# KiCad board SparkFun_GNSS_DAN-F10N_panelized.kicad_pcb (continued)
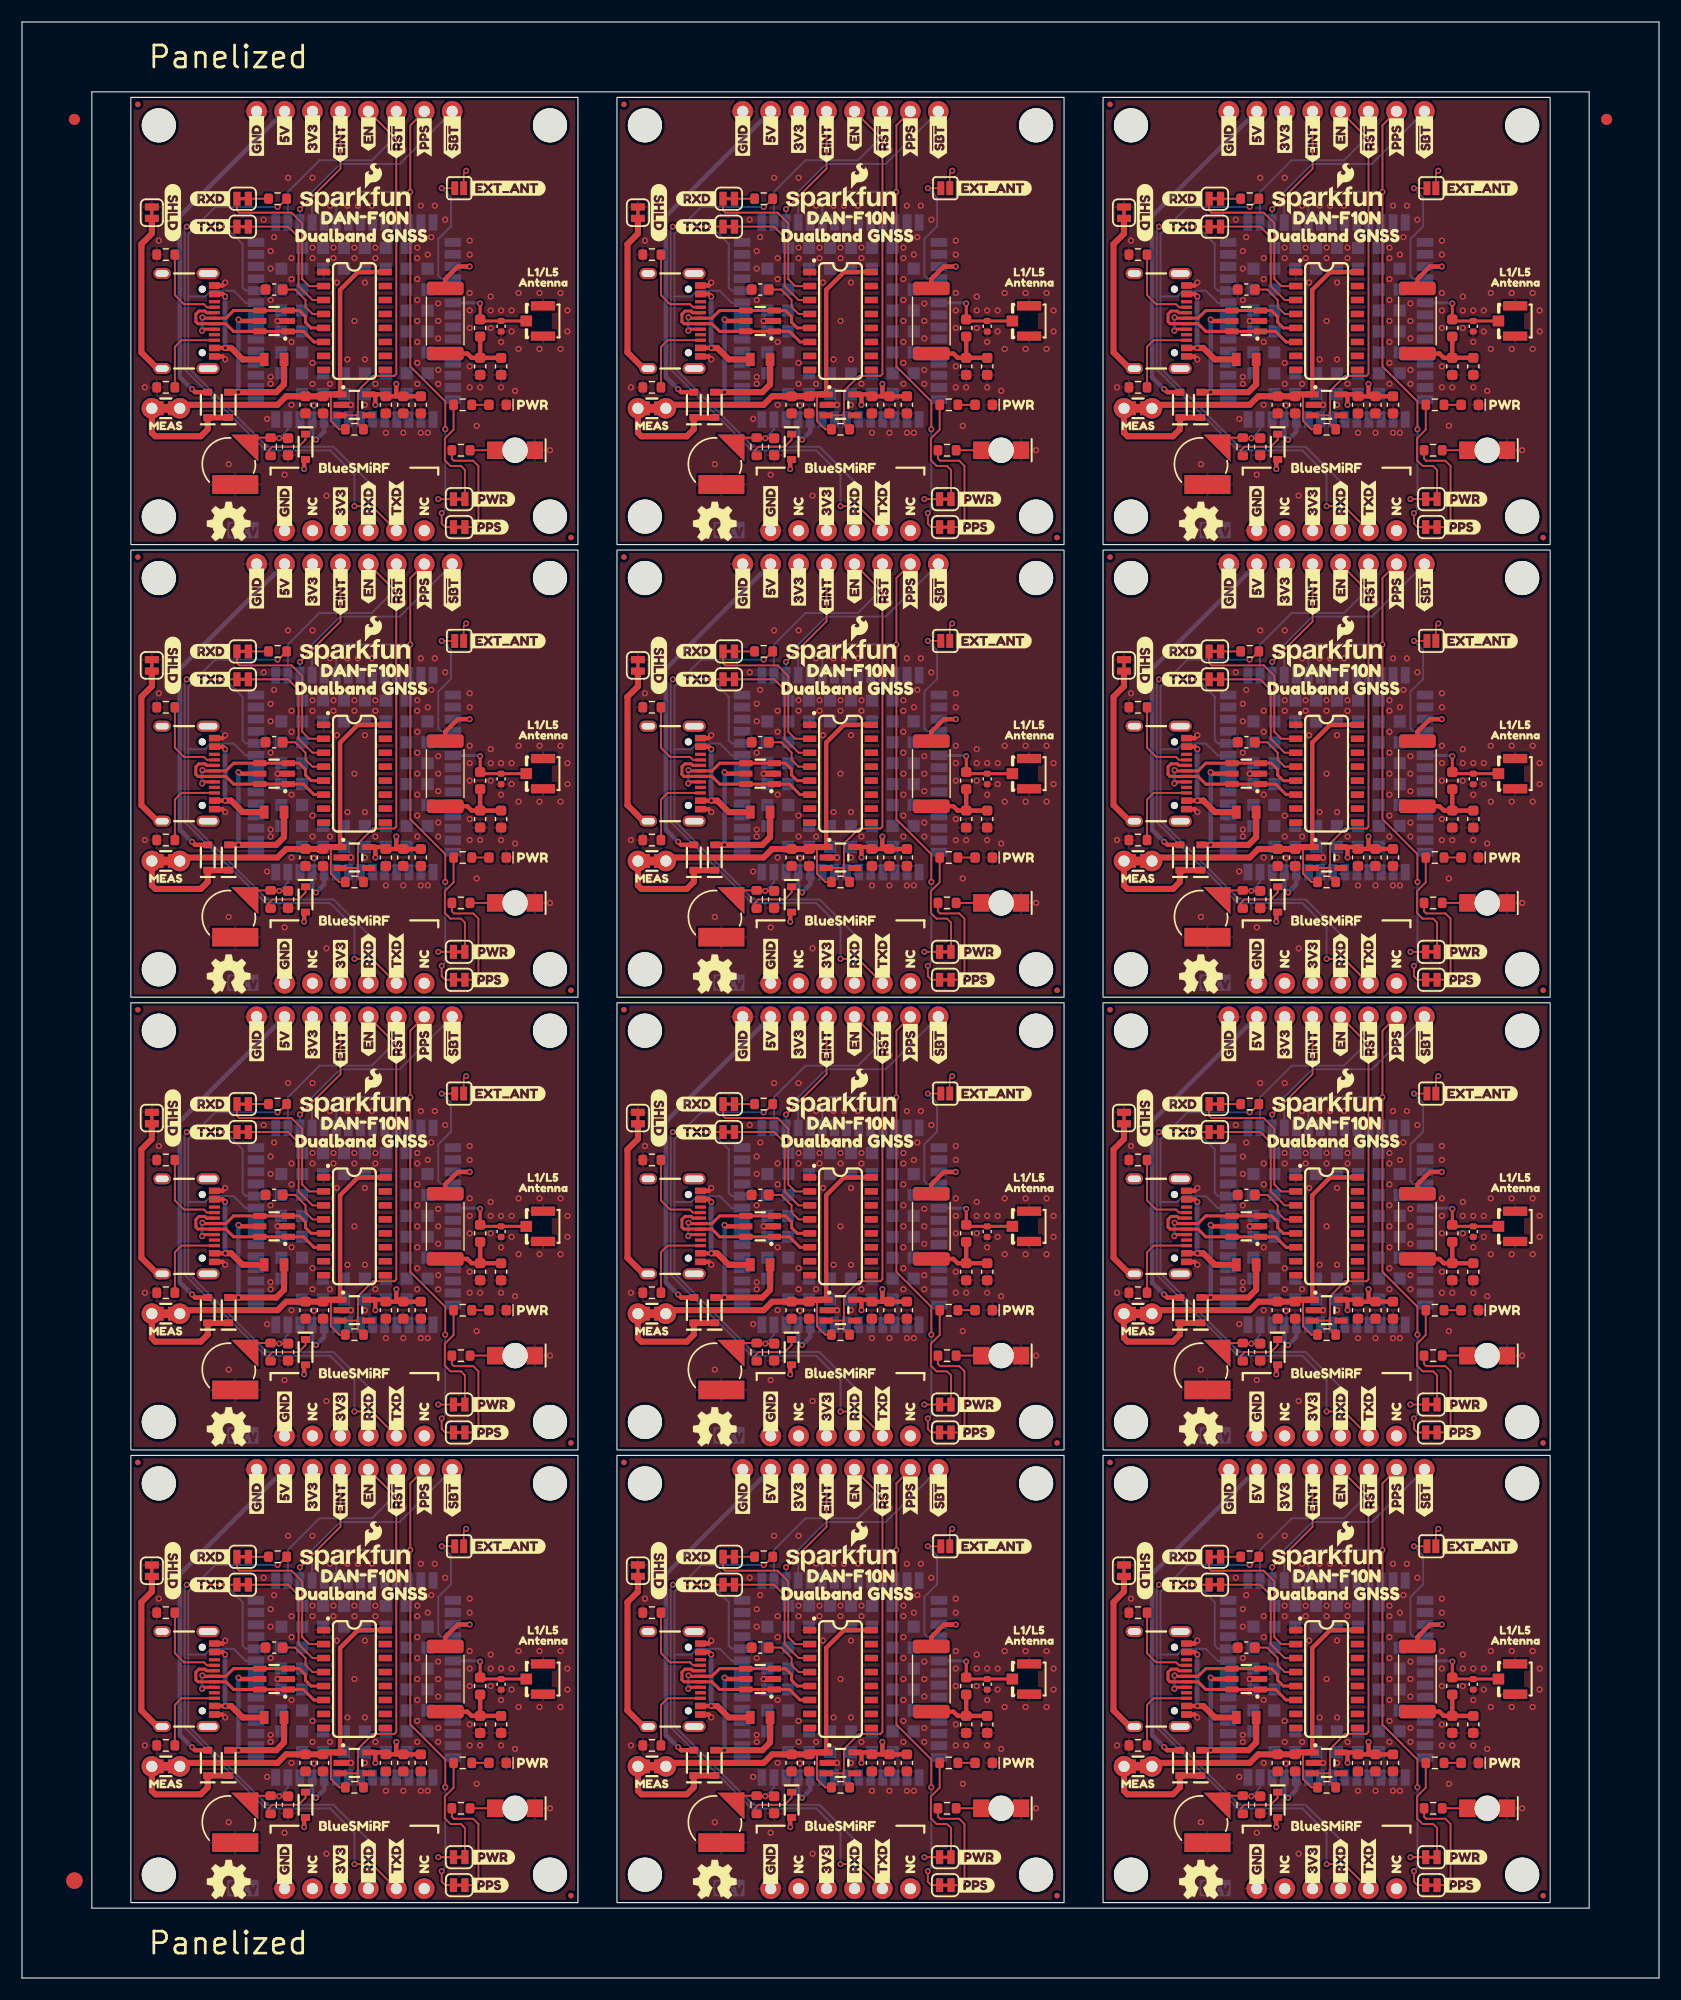
[diagram p0: board, top side]
## Placement (name value [footprint] x y rotation side) (continued)
J4#8  -  [U.FL]  91.55 27.17 180 top
J4#9  -  [U.FL]  91.55 150.59 180 top
J4#10  -  [U.FL]  135.74 109.45 180 top
J4#11  -  [U.FL]  135.74 150.59 180 top
J4#12  -  [U.FL]  135.74 68.31 180 top
J5  Conn_01x08  [1x08]  39.11 169.64 180 top
J5#2  Conn_01x08  [1x08]  39.11 87.36 180 top
J5#3  Conn_01x08  [1x08]  127.48 46.22 180 top
J5#4  Conn_01x08  [1x08]  39.11 128.5 180 top
J5#5  Conn_01x08  [1x08]  83.3 87.36 180 top
J5#6  Conn_01x08  [1x08]  83.3 128.5 180 top
J5#7  Conn_01x08  [1x08]  83.3 169.64 180 top
J5#8  Conn_01x08  [1x08]  83.3 46.22 180 top
J5#9  Conn_01x08  [1x08]  127.48 87.36 180 top
J5#10  Conn_01x08  [1x08]  127.48 128.5 180 top
J5#11  Conn_01x08  [1x08]  127.48 169.64 180 top
J5#12  Conn_01x08  [1x08]  39.11 46.22 180 top
JP1  EXT_ANT  [Jumper_2_NO]  39.74 39.23 180 top
JP1#2  EXT_ANT  [Jumper_2_NO]  83.93 162.66 180 top
JP1#3  EXT_ANT  [Jumper_2_NO]  39.74 121.52 180 top
JP1#4  EXT_ANT  [Jumper_2_NO]  39.74 80.38 180 top
JP1#5  EXT_ANT  [Jumper_2_NO]  39.74 162.66 180 top
JP1#6  EXT_ANT  [Jumper_2_NO]  83.93 39.23 180 top
JP1#7  EXT_ANT  [Jumper_2_NO]  83.93 80.38 180 top
JP1#8  EXT_ANT  [Jumper_2_NO]  83.93 121.52 180 top
JP1#9  EXT_ANT  [Jumper_2_NO]  128.12 121.52 180 top
JP1#10  EXT_ANT  [Jumper_2_NO]  128.12 80.38 180 top
JP1#11  EXT_ANT  [Jumper_2_NO]  128.12 39.23 180 top
JP1#12  EXT_ANT  [Jumper_2_NO]  128.12 162.66 180 top
JP2  ~  [Jumper_2_NC_Trace]  39.74 10.98 180 top
JP2#2  ~  [Jumper_2_NC_Trace]  83.93 52.12 180 top
JP2#3  ~  [Jumper_2_NC_Trace]  39.74 52.12 180 top
JP2#4  ~  [Jumper_2_NC_Trace]  39.74 134.4 180 top
JP2#5  ~  [Jumper_2_NC_Trace]  83.93 10.98 180 top
JP2#6  ~  [Jumper_2_NC_Trace]  39.74 93.26 180 top
JP2#7  ~  [Jumper_2_NC_Trace]  128.12 93.26 180 top
JP2#8  ~  [Jumper_2_NC_Trace]  128.12 52.12 180 top
JP2#9  ~  [Jumper_2_NC_Trace]  83.93 134.4 180 top
JP2#10  ~  [Jumper_2_NC_Trace]  128.12 134.4 180 top
JP2#11  ~  [Jumper_2_NC_Trace]  83.93 93.26 180 top
JP2#12  ~  [Jumper_2_NC_Trace]  128.12 10.98 180 top
JP3  ~  [Jumper_2_NC_Trace]  39.74 8.44 180 top
JP3#2  ~  [Jumper_2_NC_Trace]  128.12 8.44 180 top
JP3#3  ~  [Jumper_2_NC_Trace]  128.12 49.58 180 top
JP3#4  ~  [Jumper_2_NC_Trace]  83.93 131.86 180 top
JP3#5  ~  [Jumper_2_NC_Trace]  128.12 90.72 180 top
JP3#6  ~  [Jumper_2_NC_Trace]  128.12 131.86 180 top
JP3#7  ~  [Jumper_2_NC_Trace]  83.93 90.72 180 top
JP3#8  ~  [Jumper_2_NC_Trace]  83.93 49.58 180 top
JP3#9  ~  [Jumper_2_NC_Trace]  83.93 8.44 180 top
JP3#10  ~  [Jumper_2_NC_Trace]  39.74 49.58 180 top
JP3#11  ~  [Jumper_2_NC_Trace]  39.74 131.86 180 top
JP3#12  ~  [Jumper_2_NC_Trace]  39.74 90.72 180 top
JP7  ~  [Jumper_2_NC_Trace]  11.8 78.15 270 top
JP7#2  ~  [Jumper_2_NC_Trace]  100.18 78.15 270 top
JP7#3  ~  [Jumper_2_NC_Trace]  11.8 160.43 270 top
JP7#4  ~  [Jumper_2_NC_Trace]  55.99 78.15 270 top
JP7#5  ~  [Jumper_2_NC_Trace]  100.18 37.01 270 top
JP7#6  ~  [Jumper_2_NC_Trace]  55.99 37.01 270 top
JP7#7  ~  [Jumper_2_NC_Trace]  55.99 160.43 270 top
JP7#8  ~  [Jumper_2_NC_Trace]  11.8 119.29 270 top
JP7#9  ~  [Jumper_2_NC_Trace]  55.99 119.29 270 top
JP7#10  ~  [Jumper_2_NC_Trace]  100.18 119.29 270 top
JP7#11  ~  [Jumper_2_NC_Trace]  100.18 160.43 270 top
JP7#12  ~  [Jumper_2_NC_Trace]  11.8 37.01 270 top
JP9  ~  [Jumper_2_NC_Trace]  20.06 38.28 0 top
JP9#2  ~  [Jumper_2_NC_Trace]  20.06 120.56 0 top
JP9#3  ~  [Jumper_2_NC_Trace]  20.06 161.7 0 top
JP9#4  ~  [Jumper_2_NC_Trace]  108.43 38.28 0 top
JP9#5  ~  [Jumper_2_NC_Trace]  20.06 79.42 0 top
JP9#6  ~  [Jumper_2_NC_Trace]  64.25 79.42 0 top
JP9#7  ~  [Jumper_2_NC_Trace]  64.25 120.56 0 top
JP9#8  ~  [Jumper_2_NC_Trace]  64.25 38.28 0 top
JP9#9  ~  [Jumper_2_NC_Trace]  64.25 161.7 0 top
JP9#10  ~  [Jumper_2_NC_Trace]  108.43 120.56 0 top
JP9#11  ~  [Jumper_2_NC_Trace]  108.43 79.42 0 top
JP9#12  ~  [Jumper_2_NC_Trace]  108.43 161.7 0 top
JP10  ~  [Jumper_2_NC_Trace]  20.06 35.74 180 top
JP10#2  ~  [Jumper_2_NC_Trace]  20.06 76.88 180 top
JP10#3  ~  [Jumper_2_NC_Trace]  64.25 35.74 180 top
JP10#4  ~  [Jumper_2_NC_Trace]  20.06 159.16 180 top
JP10#5  ~  [Jumper_2_NC_Trace]  108.43 76.88 180 top
JP10#6  ~  [Jumper_2_NC_Trace]  64.25 118.02 180 top
JP10#7  ~  [Jumper_2_NC_Trace]  108.43 35.74 180 top
JP10#8  ~  [Jumper_2_NC_Trace]  64.25 159.16 180 top
JP10#9  ~  [Jumper_2_NC_Trace]  20.06 118.02 180 top
JP10#10  ~  [Jumper_2_NC_Trace]  64.25 76.88 180 top
JP10#11  ~  [Jumper_2_NC_Trace]  108.43 118.02 180 top
JP10#12  ~  [Jumper_2_NC_Trace]  108.43 159.16 180 top
JP11  Measure  [Jumper_2_PTH_SMD_Combo-NC]  13.07 19.23 0 top
JP11#2  Measure  [Jumper_2_PTH_SMD_Combo-NC]  13.07 101.51 0 top
JP11#3  Measure  [Jumper_2_PTH_SMD_Combo-NC]  57.26 142.65 0 top
JP11#4  Measure  [Jumper_2_PTH_SMD_Combo-NC]  101.45 101.51 0 top
JP11#5  Measure  [Jumper_2_PTH_SMD_Combo-NC]  13.07 142.65 0 top
JP11#6  Measure  [Jumper_2_PTH_SMD_Combo-NC]  57.26 101.51 0 top
JP11#7  Measure  [Jumper_2_PTH_SMD_Combo-NC]  57.26 60.37 0 top
JP11#8  Measure  [Jumper_2_PTH_SMD_Combo-NC]  13.07 60.37 0 top
JP11#9  Measure  [Jumper_2_PTH_SMD_Combo-NC]  57.26 19.23 0 top
JP11#10  Measure  [Jumper_2_PTH_SMD_Combo-NC]  101.45 19.23 0 top
JP11#11  Measure  [Jumper_2_PTH_SMD_Combo-NC]  101.45 60.37 0 top
JP11#12  Measure  [Jumper_2_PTH_SMD_Combo-NC]  101.45 142.65 0 top
kibuzzard-64C2E6A3  G***  [kibuzzard-64C2E6A3]  46.41 19.55 0 top
kibuzzard-64C2E6A3#2  G***  [kibuzzard-64C2E6A3]  90.6 142.97 0 top
kibuzzard-64C2E6A3#3  G***  [kibuzzard-64C2E6A3]  134.79 142.97 0 top
kibuzzard-64C2E6A3#4  G***  [kibuzzard-64C2E6A3]  134.79 19.55 0 top
kibuzzard-64C2E6A3#5  G***  [kibuzzard-64C2E6A3]  134.79 60.69 0 top
kibuzzard-64C2E6A3#6  G***  [kibuzzard-64C2E6A3]  134.79 101.83 0 top
kibuzzard-64C2E6A3#7  G***  [kibuzzard-64C2E6A3]  46.41 142.97 0 top
kibuzzard-64C2E6A3#8  G***  [kibuzzard-64C2E6A3]  46.41 101.83 0 top
kibuzzard-64C2E6A3#9  G***  [kibuzzard-64C2E6A3]  46.41 60.69 0 top
kibuzzard-64C2E6A3#10  G***  [kibuzzard-64C2E6A3]  90.6 60.69 0 top
kibuzzard-64C2E6A3#11  G***  [kibuzzard-64C2E6A3]  90.6 101.83 0 top
kibuzzard-64C2E6A3#12  G***  [kibuzzard-64C2E6A3]  90.6 19.55 0 top
kibuzzard-64C3DF93  G***  [kibuzzard-64C3DF93]  13.71 78.15 270 top
kibuzzard-64C3DF93#2  G***  [kibuzzard-64C3DF93]  13.71 119.29 270 top
kibuzzard-64C3DF93#3  G***  [kibuzzard-64C3DF93]  57.9 119.29 270 top
kibuzzard-64C3DF93#4  G***  [kibuzzard-64C3DF93]  102.08 119.29 270 top
kibuzzard-64C3DF93#5  G***  [kibuzzard-64C3DF93]  57.9 78.15 270 top
kibuzzard-64C3DF93#6  G***  [kibuzzard-64C3DF93]  57.9 160.43 270 top
kibuzzard-64C3DF93#7  G***  [kibuzzard-64C3DF93]  102.08 78.15 270 top
kibuzzard-64C3DF93#8  G***  [kibuzzard-64C3DF93]  57.9 37.01 270 top
kibuzzard-64C3DF93#9  G***  [kibuzzard-64C3DF93]  13.71 160.43 270 top
kibuzzard-64C3DF93#10  G***  [kibuzzard-64C3DF93]  102.08 37.01 270 top
kibuzzard-64C3DF93#11  G***  [kibuzzard-64C3DF93]  102.08 160.43 270 top
kibuzzard-64C3DF93#12  G***  [kibuzzard-64C3DF93]  13.71 37.01 270 top
kibuzzard-67C7D06A  G***  [kibuzzard-67C7D06A]  47.36 30.66 0 top
kibuzzard-67C7D06A#2  G***  [kibuzzard-67C7D06A]  47.36 71.8 0 top
kibuzzard-67C7D06A#3  G***  [kibuzzard-67C7D06A]  47.36 112.94 0 top
kibuzzard-67C7D06A#4  G***  [kibuzzard-67C7D06A]  47.36 154.08 0 top
kibuzzard-67C7D06A#5  G***  [kibuzzard-67C7D06A]  91.55 30.66 0 top
kibuzzard-67C7D06A#6  G***  [kibuzzard-67C7D06A]  135.74 30.66 0 top
kibuzzard-67C7D06A#7  G***  [kibuzzard-67C7D06A]  135.74 71.8 0 top
kibuzzard-67C7D06A#8  G***  [kibuzzard-67C7D06A]  91.55 112.94 0 top
kibuzzard-67C7D06A#9  G***  [kibuzzard-67C7D06A]  135.74 112.94 0 top
kibuzzard-67C7D06A#10  G***  [kibuzzard-67C7D06A]  91.55 154.08 0 top
kibuzzard-67C7D06A#11  G***  [kibuzzard-67C7D06A]  91.55 71.8 0 top
kibuzzard-67C7D06A#12  G***  [kibuzzard-67C7D06A]  135.74 154.08 0 top
kibuzzard-67C7D061  G***  [kibuzzard-67C7D061]  91.55 31.62 0 top
kibuzzard-67C7D061#2  G***  [kibuzzard-67C7D061]  135.74 72.75 0 top
kibuzzard-67C7D061#3  G***  [kibuzzard-67C7D061]  47.36 113.9 0 top
kibuzzard-67C7D061#4  G***  [kibuzzard-67C7D061]  135.74 31.62 0 top
kibuzzard-67C7D061#5  G***  [kibuzzard-67C7D061]  47.36 155.03 0 top
kibuzzard-67C7D061#6  G***  [kibuzzard-67C7D061]  91.55 113.9 0 top
kibuzzard-67C7D061#7  G***  [kibuzzard-67C7D061]  91.55 155.03 0 top
kibuzzard-67C7D061#8  G***  [kibuzzard-67C7D061]  47.36 72.75 0 top
kibuzzard-67C7D061#9  G***  [kibuzzard-67C7D061]  91.55 72.75 0 top
kibuzzard-67C7D061#10  G***  [kibuzzard-67C7D061]  135.74 155.03 0 top
kibuzzard-67C7D061#11  G***  [kibuzzard-67C7D061]  135.74 113.9 0 top
kibuzzard-67C7D061#12  G***  [kibuzzard-67C7D061]  47.36 31.62 0 top
kibuzzard-67C52A06  G***  [kibuzzard-67C52A06]  30.22 95.48 180 bottom
kibuzzard-67C52A06#2  G***  [kibuzzard-67C52A06]  74.41 13.2 180 bottom
kibuzzard-67C52A06#3  G***  [kibuzzard-67C52A06]  30.22 54.34 180 bottom
kibuzzard-67C52A06#4  G***  [kibuzzard-67C52A06]  30.22 136.62 180 bottom
kibuzzard-67C52A06#5  G***  [kibuzzard-67C52A06]  118.59 136.62 180 bottom
kibuzzard-67C52A06#6  G***  [kibuzzard-67C52A06]  74.41 54.34 180 bottom
kibuzzard-67C52A06#7  G***  [kibuzzard-67C52A06]  74.41 95.48 180 bottom
kibuzzard-67C52A06#8  G***  [kibuzzard-67C52A06]  74.41 136.62 180 bottom
kibuzzard-67C52A06#9  G***  [kibuzzard-67C52A06]  118.59 54.34 180 bottom
kibuzzard-67C52A06#10  G***  [kibuzzard-67C52A06]  118.59 95.48 180 bottom
kibuzzard-67C52A06#11  G***  [kibuzzard-67C52A06]  118.59 13.2 180 bottom
kibuzzard-67C52A06#12  G***  [kibuzzard-67C52A06]  30.22 13.2 180 bottom
kibuzzard-67C52AED  G***  [kibuzzard-67C52AED]  78.22 51.8 90 top
kibuzzard-67C52AED#2  G***  [kibuzzard-67C52AED]  78.22 92.94 90 top
kibuzzard-67C52AED#3  G***  [kibuzzard-67C52AED]  34.03 92.94 90 top
kibuzzard-67C52AED#4  G***  [kibuzzard-67C52AED]  78.22 10.66 90 top
kibuzzard-67C52AED#5  G***  [kibuzzard-67C52AED]  34.03 51.8 90 top
kibuzzard-67C52AED#6  G***  [kibuzzard-67C52AED]  34.03 134.08 90 top
kibuzzard-67C52AED#7  G***  [kibuzzard-67C52AED]  78.22 134.08 90 top
kibuzzard-67C52AED#8  G***  [kibuzzard-67C52AED]  122.4 10.66 90 top
kibuzzard-67C52AED#9  G***  [kibuzzard-67C52AED]  122.4 51.8 90 top
kibuzzard-67C52AED#10  G***  [kibuzzard-67C52AED]  122.4 134.08 90 top
kibuzzard-67C52AED#11  G***  [kibuzzard-67C52AED]  122.4 92.94 90 top
kibuzzard-67C52AED#12  G***  [kibuzzard-67C52AED]  34.03 10.66 90 top
kibuzzard-67C52B01  G***  [kibuzzard-67C52B01]  119.86 51.8 90 top
kibuzzard-67C52B01#2  G***  [kibuzzard-67C52B01]  31.49 10.66 90 top
kibuzzard-67C52B01#3  G***  [kibuzzard-67C52B01]  75.68 51.8 90 top
kibuzzard-67C52B01#4  G***  [kibuzzard-67C52B01]  75.68 134.08 90 top
kibuzzard-67C52B01#5  G***  [kibuzzard-67C52B01]  31.49 92.94 90 top
kibuzzard-67C52B01#6  G***  [kibuzzard-67C52B01]  31.49 134.08 90 top
kibuzzard-67C52B01#7  G***  [kibuzzard-67C52B01]  31.49 51.8 90 top
kibuzzard-67C52B01#8  G***  [kibuzzard-67C52B01]  75.68 10.66 90 top
kibuzzard-67C52B01#9  G***  [kibuzzard-67C52B01]  75.68 92.94 90 top
kibuzzard-67C52B01#10  G***  [kibuzzard-67C52B01]  119.86 10.66 90 top
kibuzzard-67C52B01#11  G***  [kibuzzard-67C52B01]  119.86 92.94 90 top
kibuzzard-67C52B01#12  G***  [kibuzzard-67C52B01]  119.86 134.08 90 top
kibuzzard-67C52B1C  G***  [kibuzzard-67C52B1C]  68.06 92.62 90 top
kibuzzard-67C52B1C#2  G***  [kibuzzard-67C52B1C]  23.87 92.62 90 top
kibuzzard-67C52B1C#3  G***  [kibuzzard-67C52B1C]  68.06 10.34 90 top
kibuzzard-67C52B1C#4  G***  [kibuzzard-67C52B1C]  112.24 51.48 90 top
kibuzzard-67C52B1C#5  G***  [kibuzzard-67C52B1C]  68.06 51.48 90 top
kibuzzard-67C52B1C#6  G***  [kibuzzard-67C52B1C]  68.06 133.76 90 top
kibuzzard-67C52B1C#7  G***  [kibuzzard-67C52B1C]  23.87 133.76 90 top
kibuzzard-67C52B1C#8  G***  [kibuzzard-67C52B1C]  23.87 51.48 90 top
kibuzzard-67C52B1C#9  G***  [kibuzzard-67C52B1C]  112.24 10.34 90 top
kibuzzard-67C52B1C#10  G***  [kibuzzard-67C52B1C]  112.24 92.62 90 top
kibuzzard-67C52B1C#11  G***  [kibuzzard-67C52B1C]  112.24 133.76 90 top
kibuzzard-67C52B1C#12  G***  [kibuzzard-67C52B1C]  23.87 10.34 90 top
kibuzzard-67C52C8F  G***  [kibuzzard-67C52C8F]  13.07 17.64 0 top
kibuzzard-67C52C8F#2  G***  [kibuzzard-67C52C8F]  13.07 58.78 0 top
kibuzzard-67C52C8F#3  G***  [kibuzzard-67C52C8F]  57.26 17.64 0 top
kibuzzard-67C52C8F#4  G***  [kibuzzard-67C52C8F]  57.26 99.93 0 top
kibuzzard-67C52C8F#5  G***  [kibuzzard-67C52C8F]  101.45 99.93 0 top
kibuzzard-67C52C8F#6  G***  [kibuzzard-67C52C8F]  13.07 99.93 0 top
kibuzzard-67C52C8F#7  G***  [kibuzzard-67C52C8F]  13.07 141.06 0 top
kibuzzard-67C52C8F#8  G***  [kibuzzard-67C52C8F]  57.26 58.78 0 top
kibuzzard-67C52C8F#9  G***  [kibuzzard-67C52C8F]  57.26 141.06 0 top
kibuzzard-67C52C8F#10  G***  [kibuzzard-67C52C8F]  101.45 17.64 0 top
kibuzzard-67C52C8F#11  G***  [kibuzzard-67C52C8F]  101.45 58.78 0 top
kibuzzard-67C52C8F#12  G***  [kibuzzard-67C52C8F]  101.45 141.06 0 top
kibuzzard-67C52CCE  G***  [kibuzzard-67C52CCE]  44.82 17.64 180 bottom
kibuzzard-67C52CCE#2  G***  [kibuzzard-67C52CCE]  44.82 58.78 180 bottom
kibuzzard-67C52CCE#3  G***  [kibuzzard-67C52CCE]  89.01 141.06 180 bottom
kibuzzard-67C52CCE#4  G***  [kibuzzard-67C52CCE]  44.82 99.93 180 bottom
kibuzzard-67C52CCE#5  G***  [kibuzzard-67C52CCE]  89.01 17.64 180 bottom
kibuzzard-67C52CCE#6  G***  [kibuzzard-67C52CCE]  89.01 58.78 180 bottom
kibuzzard-67C52CCE#7  G***  [kibuzzard-67C52CCE]  44.82 141.06 180 bottom
kibuzzard-67C52CCE#8  G***  [kibuzzard-67C52CCE]  89.01 99.93 180 bottom
kibuzzard-67C52CCE#9  G***  [kibuzzard-67C52CCE]  133.2 58.78 180 bottom
kibuzzard-67C52CCE#10  G***  [kibuzzard-67C52CCE]  133.2 99.93 180 bottom
kibuzzard-67C52CCE#11  G***  [kibuzzard-67C52CCE]  133.2 141.06 180 bottom
kibuzzard-67C52CCE#12  G***  [kibuzzard-67C52CCE]  133.2 17.64 180 bottom
kibuzzard-67C52D79  G***  [kibuzzard-67C52D79]  42.6 8.44 0 top
kibuzzard-67C52D79#2  G***  [kibuzzard-67C52D79]  42.6 49.58 0 top
kibuzzard-67C52D79#3  G***  [kibuzzard-67C52D79]  42.6 131.86 0 top
kibuzzard-67C52D79#4  G***  [kibuzzard-67C52D79]  42.6 90.72 0 top
kibuzzard-67C52D79#5  G***  [kibuzzard-67C52D79]  130.98 8.44 0 top
kibuzzard-67C52D79#6  G***  [kibuzzard-67C52D79]  130.98 49.58 0 top
kibuzzard-67C52D79#7  G***  [kibuzzard-67C52D79]  86.79 8.44 0 top
kibuzzard-67C52D79#8  G***  [kibuzzard-67C52D79]  86.79 90.72 0 top
kibuzzard-67C52D79#9  G***  [kibuzzard-67C52D79]  86.79 131.86 0 top
kibuzzard-67C52D79#10  G***  [kibuzzard-67C52D79]  130.98 90.72 0 top
kibuzzard-67C52D79#11  G***  [kibuzzard-67C52D79]  130.98 131.86 0 top
kibuzzard-67C52D79#12  G***  [kibuzzard-67C52D79]  86.79 49.58 0 top
kibuzzard-67C52D85  G***  [kibuzzard-67C52D85]  42.92 10.98 0 top
kibuzzard-67C52D85#2  G***  [kibuzzard-67C52D85]  87.11 134.4 0 top
kibuzzard-67C52D85#3  G***  [kibuzzard-67C52D85]  131.29 93.26 0 top
kibuzzard-67C52D85#4  G***  [kibuzzard-67C52D85]  87.11 93.26 0 top
kibuzzard-67C52D85#5  G***  [kibuzzard-67C52D85]  42.92 93.26 0 top
kibuzzard-67C52D85#6  G***  [kibuzzard-67C52D85]  87.11 52.12 0 top
kibuzzard-67C52D85#7  G***  [kibuzzard-67C52D85]  131.29 52.12 0 top
kibuzzard-67C52D85#8  G***  [kibuzzard-67C52D85]  42.92 52.12 0 top
kibuzzard-67C52D85#9  G***  [kibuzzard-67C52D85]  87.11 10.98 0 top
kibuzzard-67C52D85#10  G***  [kibuzzard-67C52D85]  42.92 134.4 0 top
kibuzzard-67C52D85#11  G***  [kibuzzard-67C52D85]  131.29 10.98 0 top
kibuzzard-67C52D85#12  G***  [kibuzzard-67C52D85]  131.29 134.4 0 top
kibuzzard-67C52DD7  G***  [kibuzzard-67C52DD7]  17.04 118.02 0 top
kibuzzard-67C52DD7#2  G***  [kibuzzard-67C52DD7]  17.04 76.88 0 top
kibuzzard-67C52DD7#3  G***  [kibuzzard-67C52DD7]  105.42 118.02 0 top
kibuzzard-67C52DD7#4  G***  [kibuzzard-67C52DD7]  61.23 35.74 0 top
kibuzzard-67C52DD7#5  G***  [kibuzzard-67C52DD7]  61.23 76.88 0 top
kibuzzard-67C52DD7#6  G***  [kibuzzard-67C52DD7]  105.42 159.16 0 top
kibuzzard-67C52DD7#7  G***  [kibuzzard-67C52DD7]  61.23 159.16 0 top
kibuzzard-67C52DD7#8  G***  [kibuzzard-67C52DD7]  17.04 159.16 0 top
kibuzzard-67C52DD7#9  G***  [kibuzzard-67C52DD7]  61.23 118.02 0 top
kibuzzard-67C52DD7#10  G***  [kibuzzard-67C52DD7]  105.42 35.74 0 top
kibuzzard-67C52DD7#11  G***  [kibuzzard-67C52DD7]  105.42 76.88 0 top
kibuzzard-67C52DD7#12  G***  [kibuzzard-67C52DD7]  17.04 35.74 0 top
kibuzzard-67C52DE1  G***  [kibuzzard-67C52DE1]  17.04 38.28 0 top
kibuzzard-67C52DE1#2  G***  [kibuzzard-67C52DE1]  17.04 79.42 0 top
kibuzzard-67C52DE1#3  G***  [kibuzzard-67C52DE1]  17.04 161.7 0 top
kibuzzard-67C52DE1#4  G***  [kibuzzard-67C52DE1]  61.23 79.42 0 top
kibuzzard-67C52DE1#5  G***  [kibuzzard-67C52DE1]  17.04 120.56 0 top
kibuzzard-67C52DE1#6  G***  [kibuzzard-67C52DE1]  61.23 38.28 0 top
kibuzzard-67C52DE1#7  G***  [kibuzzard-67C52DE1]  105.42 38.28 0 top
kibuzzard-67C52DE1#8  G***  [kibuzzard-67C52DE1]  105.42 120.56 0 top
kibuzzard-67C52DE1#9  G***  [kibuzzard-67C52DE1]  61.23 120.56 0 top
kibuzzard-67C52DE1#10  G***  [kibuzzard-67C52DE1]  61.23 161.7 0 top
kibuzzard-67C52DE1#11  G***  [kibuzzard-67C52DE1]  105.42 161.7 0 top
kibuzzard-67C52DE1#12  G***  [kibuzzard-67C52DE1]  105.42 79.42 0 top
kibuzzard-67C52F63  G***  [kibuzzard-67C52F63]  28.95 10.34 90 top
kibuzzard-67C52F63#2  G***  [kibuzzard-67C52F63]  73.14 10.34 90 top
kibuzzard-67C52F63#3  G***  [kibuzzard-67C52F63]  28.95 133.76 90 top
kibuzzard-67C52F63#4  G***  [kibuzzard-67C52F63]  28.95 92.62 90 top
kibuzzard-67C52F63#5  G***  [kibuzzard-67C52F63]  73.14 51.48 90 top
kibuzzard-67C52F63#6  G***  [kibuzzard-67C52F63]  73.14 92.62 90 top
kibuzzard-67C52F63#7  G***  [kibuzzard-67C52F63]  28.95 51.48 90 top
kibuzzard-67C52F63#8  G***  [kibuzzard-67C52F63]  73.14 133.76 90 top
kibuzzard-67C52F63#9  G***  [kibuzzard-67C52F63]  117.32 51.48 90 top
kibuzzard-67C52F63#10  G***  [kibuzzard-67C52F63]  117.32 92.62 90 top
kibuzzard-67C52F63#11  G***  [kibuzzard-67C52F63]  117.32 133.76 90 top
kibuzzard-67C52F63#12  G***  [kibuzzard-67C52F63]  117.32 10.34 90 top
kibuzzard-67C524B9  G***  [kibuzzard-67C524B9]  31.17 36.54 0 top
kibuzzard-67C524B9#2  G***  [kibuzzard-67C524B9]  31.17 77.68 0 top
kibuzzard-67C524B9#3  G***  [kibuzzard-67C524B9]  75.36 36.54 0 top
kibuzzard-67C524B9#4  G***  [kibuzzard-67C524B9]  119.55 36.54 0 top
kibuzzard-67C524B9#5  G***  [kibuzzard-67C524B9]  75.36 159.96 0 top
kibuzzard-67C524B9#6  G***  [kibuzzard-67C524B9]  31.17 118.82 0 top
kibuzzard-67C524B9#7  G***  [kibuzzard-67C524B9]  31.17 159.96 0 top
kibuzzard-67C524B9#8  G***  [kibuzzard-67C524B9]  75.36 118.82 0 top
kibuzzard-67C524B9#9  G***  [kibuzzard-67C524B9]  75.36 77.68 0 top
kibuzzard-67C524B9#10  G***  [kibuzzard-67C524B9]  119.55 159.96 0 top
kibuzzard-67C524B9#11  G***  [kibuzzard-67C524B9]  119.55 118.82 0 top
kibuzzard-67C524B9#12  G***  [kibuzzard-67C524B9]  119.55 77.68 0 top
kibuzzard-67C524C4  G***  [kibuzzard-67C524C4]  30.85 34.95 0 top
kibuzzard-67C524C4#2  G***  [kibuzzard-67C524C4]  30.85 76.09 0 top
kibuzzard-67C524C4#3  G***  [kibuzzard-67C524C4]  75.04 76.09 0 top
kibuzzard-67C524C4#4  G***  [kibuzzard-67C524C4]  75.04 158.37 0 top
kibuzzard-67C524C4#5  G***  [kibuzzard-67C524C4]  119.23 76.09 0 top
kibuzzard-67C524C4#6  G***  [kibuzzard-67C524C4]  30.85 117.23 0 top
kibuzzard-67C524C4#7  G***  [kibuzzard-67C524C4]  30.85 158.37 0 top
kibuzzard-67C524C4#8  G***  [kibuzzard-67C524C4]  75.04 34.95 0 top
kibuzzard-67C524C4#9  G***  [kibuzzard-67C524C4]  75.04 117.23 0 top
kibuzzard-67C524C4#10  G***  [kibuzzard-67C524C4]  119.23 34.95 0 top
kibuzzard-67C524C4#11  G***  [kibuzzard-67C524C4]  119.23 158.37 0 top
kibuzzard-67C524C4#12  G***  [kibuzzard-67C524C4]  119.23 117.23 0 top
kibuzzard-67C526AF  G***  [kibuzzard-67C526AF]  34.03 43.84 90 top
kibuzzard-67C526AF#2  G***  [kibuzzard-67C526AF]  122.4 167.26 90 top
kibuzzard-67C526AF#3  G***  [kibuzzard-67C526AF]  122.4 43.84 90 top
kibuzzard-67C526AF#4  G***  [kibuzzard-67C526AF]  122.4 84.98 90 top
kibuzzard-67C526AF#5  G***  [kibuzzard-67C526AF]  122.4 126.12 90 top
kibuzzard-67C526AF#6  G***  [kibuzzard-67C526AF]  78.22 43.84 90 top
kibuzzard-67C526AF#7  G***  [kibuzzard-67C526AF]  78.22 84.98 90 top
kibuzzard-67C526AF#8  G***  [kibuzzard-67C526AF]  34.03 126.12 90 top
kibuzzard-67C526AF#9  G***  [kibuzzard-67C526AF]  78.22 126.12 90 top
kibuzzard-67C526AF#10  G***  [kibuzzard-67C526AF]  78.22 167.26 90 top
kibuzzard-67C526AF#11  G***  [kibuzzard-67C526AF]  34.03 84.98 90 top
kibuzzard-67C526AF#12  G***  [kibuzzard-67C526AF]  34.03 167.26 90 top
kibuzzard-67C526C1  G***  [kibuzzard-67C526C1]  36.57 43.84 90 top
kibuzzard-67C526C1#2  G***  [kibuzzard-67C526C1]  80.76 43.84 90 top
kibuzzard-67C526C1#3  G***  [kibuzzard-67C526C1]  36.57 126.12 90 top
kibuzzard-67C526C1#4  G***  [kibuzzard-67C526C1]  80.76 84.98 90 top
kibuzzard-67C526C1#5  G***  [kibuzzard-67C526C1]  36.57 84.98 90 top
kibuzzard-67C526C1#6  G***  [kibuzzard-67C526C1]  124.94 43.84 90 top
kibuzzard-67C526C1#7  G***  [kibuzzard-67C526C1]  36.57 167.26 90 top
kibuzzard-67C526C1#8  G***  [kibuzzard-67C526C1]  124.94 84.98 90 top
kibuzzard-67C526C1#9  G***  [kibuzzard-67C526C1]  124.94 126.12 90 top
kibuzzard-67C526C1#10  G***  [kibuzzard-67C526C1]  124.94 167.26 90 top
kibuzzard-67C526C1#11  G***  [kibuzzard-67C526C1]  80.76 126.12 90 top
kibuzzard-67C526C1#12  G***  [kibuzzard-67C526C1]  80.76 167.26 90 top
kibuzzard-67C526DE  G***  [kibuzzard-67C526DE]  39.11 43.84 90 top
kibuzzard-67C526DE#2  G***  [kibuzzard-67C526DE]  83.3 126.12 90 top
kibuzzard-67C526DE#3  G***  [kibuzzard-67C526DE]  39.11 84.98 90 top
kibuzzard-67C526DE#4  G***  [kibuzzard-67C526DE]  127.48 84.98 90 top
kibuzzard-67C526DE#5  G***  [kibuzzard-67C526DE]  83.3 84.98 90 top
kibuzzard-67C526DE#6  G***  [kibuzzard-67C526DE]  39.11 167.26 90 top
kibuzzard-67C526DE#7  G***  [kibuzzard-67C526DE]  39.11 126.12 90 top
kibuzzard-67C526DE#8  G***  [kibuzzard-67C526DE]  83.3 43.84 90 top
kibuzzard-67C526DE#9  G***  [kibuzzard-67C526DE]  83.3 167.26 90 top
kibuzzard-67C526DE#10  G***  [kibuzzard-67C526DE]  127.48 43.84 90 top
kibuzzard-67C526DE#11  G***  [kibuzzard-67C526DE]  127.48 126.12 90 top
kibuzzard-67C526DE#12  G***  [kibuzzard-67C526DE]  127.48 167.26 90 top
kibuzzard-67C526ED  G***  [kibuzzard-67C526ED]  28.95 125.96 90 top
kibuzzard-67C526ED#2  G***  [kibuzzard-67C526ED]  28.95 84.82 90 top
kibuzzard-67C526ED#3  G***  [kibuzzard-67C526ED]  117.32 167.1 90 top
kibuzzard-67C526ED#4  G***  [kibuzzard-67C526ED]  73.14 43.68 90 top
kibuzzard-67C526ED#5  G***  [kibuzzard-67C526ED]  73.14 125.96 90 top
kibuzzard-67C526ED#6  G***  [kibuzzard-67C526ED]  28.95 167.1 90 top
kibuzzard-67C526ED#7  G***  [kibuzzard-67C526ED]  73.14 167.1 90 top
kibuzzard-67C526ED#8  G***  [kibuzzard-67C526ED]  73.14 84.82 90 top
kibuzzard-67C526ED#9  G***  [kibuzzard-67C526ED]  117.32 43.68 90 top
kibuzzard-67C526ED#10  G***  [kibuzzard-67C526ED]  117.32 84.82 90 top
kibuzzard-67C526ED#11  G***  [kibuzzard-67C526ED]  117.32 125.96 90 top
kibuzzard-67C526ED#12  G***  [kibuzzard-67C526ED]  28.95 43.68 90 top
kibuzzard-67C526F3  G***  [kibuzzard-67C526F3]  26.41 85.3 90 top
kibuzzard-67C526F3#2  G***  [kibuzzard-67C526F3]  70.6 167.58 90 top
kibuzzard-67C526F3#3  G***  [kibuzzard-67C526F3]  114.78 85.3 90 top
kibuzzard-67C526F3#4  G***  [kibuzzard-67C526F3]  114.78 167.58 90 top
kibuzzard-67C526F3#5  G***  [kibuzzard-67C526F3]  70.6 85.3 90 top
kibuzzard-67C526F3#6  G***  [kibuzzard-67C526F3]  26.41 126.44 90 top
kibuzzard-67C526F3#7  G***  [kibuzzard-67C526F3]  70.6 126.44 90 top
kibuzzard-67C526F3#8  G***  [kibuzzard-67C526F3]  26.41 167.58 90 top
kibuzzard-67C526F3#9  G***  [kibuzzard-67C526F3]  70.6 44.16 90 top
kibuzzard-67C526F3#10  G***  [kibuzzard-67C526F3]  114.78 44.16 90 top
kibuzzard-67C526F3#11  G***  [kibuzzard-67C526F3]  114.78 126.44 90 top
kibuzzard-67C526F3#12  G***  [kibuzzard-67C526F3]  26.41 44.16 90 top
kibuzzard-67C526FD  G***  [kibuzzard-67C526FD]  23.87 44.47 90 top
kibuzzard-67C526FD#2  G***  [kibuzzard-67C526FD]  23.87 126.75 90 top
kibuzzard-67C526FD#3  G***  [kibuzzard-67C526FD]  68.06 85.61 90 top
kibuzzard-67C526FD#4  G***  [kibuzzard-67C526FD]  68.06 167.89 90 top
kibuzzard-67C526FD#5  G***  [kibuzzard-67C526FD]  68.06 44.47 90 top
kibuzzard-67C526FD#6  G***  [kibuzzard-67C526FD]  112.24 167.89 90 top
kibuzzard-67C526FD#7  G***  [kibuzzard-67C526FD]  23.87 85.61 90 top
kibuzzard-67C526FD#8  G***  [kibuzzard-67C526FD]  23.87 167.89 90 top
kibuzzard-67C526FD#9  G***  [kibuzzard-67C526FD]  68.06 126.75 90 top
kibuzzard-67C526FD#10  G***  [kibuzzard-67C526FD]  112.24 44.47 90 top
kibuzzard-67C526FD#11  G***  [kibuzzard-67C526FD]  112.24 85.61 90 top
kibuzzard-67C526FD#12  G***  [kibuzzard-67C526FD]  112.24 126.75 90 top
kibuzzard-67C527CA  G***  [kibuzzard-67C527CA]  34.03 126.12 270 bottom
kibuzzard-67C527CA#2  G***  [kibuzzard-67C527CA]  34.03 84.98 270 bottom
kibuzzard-67C527CA#3  G***  [kibuzzard-67C527CA]  122.4 167.26 270 bottom
kibuzzard-67C527CA#4  G***  [kibuzzard-67C527CA]  78.22 43.84 270 bottom
kibuzzard-67C527CA#5  G***  [kibuzzard-67C527CA]  78.22 84.98 270 bottom
kibuzzard-67C527CA#6  G***  [kibuzzard-67C527CA]  34.03 167.26 270 bottom
kibuzzard-67C527CA#7  G***  [kibuzzard-67C527CA]  78.22 167.26 270 bottom
kibuzzard-67C527CA#8  G***  [kibuzzard-67C527CA]  122.4 43.84 270 bottom
kibuzzard-67C527CA#9  G***  [kibuzzard-67C527CA]  122.4 126.12 270 bottom
kibuzzard-67C527CA#10  G***  [kibuzzard-67C527CA]  122.4 84.98 270 bottom
kibuzzard-67C527CA#11  G***  [kibuzzard-67C527CA]  78.22 126.12 270 bottom
kibuzzard-67C527CA#12  G***  [kibuzzard-67C527CA]  34.03 43.84 270 bottom
kibuzzard-67C529FB  G***  [kibuzzard-67C529FB]  30.22 15.42 180 bottom
kibuzzard-67C529FB#2  G***  [kibuzzard-67C529FB]  30.22 97.7 180 bottom
kibuzzard-67C529FB#3  G***  [kibuzzard-67C529FB]  30.22 56.56 180 bottom
kibuzzard-67C529FB#4  G***  [kibuzzard-67C529FB]  74.41 15.42 180 bottom
kibuzzard-67C529FB#5  G***  [kibuzzard-67C529FB]  74.41 138.84 180 bottom
kibuzzard-67C529FB#6  G***  [kibuzzard-67C529FB]  118.59 97.7 180 bottom
kibuzzard-67C529FB#7  G***  [kibuzzard-67C529FB]  74.41 56.56 180 bottom
kibuzzard-67C529FB#8  G***  [kibuzzard-67C529FB]  118.59 15.42 180 bottom
kibuzzard-67C529FB#9  G***  [kibuzzard-67C529FB]  74.41 97.7 180 bottom
kibuzzard-67C529FB#10  G***  [kibuzzard-67C529FB]  30.22 138.84 180 bottom
kibuzzard-67C529FB#11  G***  [kibuzzard-67C529FB]  118.59 56.56 180 bottom
kibuzzard-67C529FB#12  G***  [kibuzzard-67C529FB]  118.59 138.84 180 bottom
kibuzzard-67C5273C  G***  [kibuzzard-67C5273C]  26.41 126.28 270 bottom
kibuzzard-67C5273C#2  G***  [kibuzzard-67C5273C]  26.41 85.14 270 bottom
kibuzzard-67C5273C#3  G***  [kibuzzard-67C5273C]  70.6 126.28 270 bottom
kibuzzard-67C5273C#4  G***  [kibuzzard-67C5273C]  114.78 85.14 270 bottom
kibuzzard-67C5273C#5  G***  [kibuzzard-67C5273C]  70.6 167.42 270 bottom
kibuzzard-67C5273C#6  G***  [kibuzzard-67C5273C]  114.78 126.28 270 bottom
kibuzzard-67C5273C#7  G***  [kibuzzard-67C5273C]  26.41 167.42 270 bottom
kibuzzard-67C5273C#8  G***  [kibuzzard-67C5273C]  70.6 44 270 bottom
kibuzzard-67C5273C#9  G***  [kibuzzard-67C5273C]  70.6 85.14 270 bottom
kibuzzard-67C5273C#10  G***  [kibuzzard-67C5273C]  114.78 44 270 bottom
kibuzzard-67C5273C#11  G***  [kibuzzard-67C5273C]  114.78 167.42 270 bottom
kibuzzard-67C5273C#12  G***  [kibuzzard-67C5273C]  26.41 44 270 bottom
kibuzzard-67C5274E  G***  [kibuzzard-67C5274E]  73.14 84.82 270 bottom
kibuzzard-67C5274E#2  G***  [kibuzzard-67C5274E]  28.95 167.1 270 bottom
kibuzzard-67C5274E#3  G***  [kibuzzard-67C5274E]  28.95 84.82 270 bottom
kibuzzard-67C5274E#4  G***  [kibuzzard-67C5274E]  28.95 125.96 270 bottom
kibuzzard-67C5274E#5  G***  [kibuzzard-67C5274E]  73.14 43.68 270 bottom
kibuzzard-67C5274E#6  G***  [kibuzzard-67C5274E]  73.14 125.96 270 bottom
kibuzzard-67C5274E#7  G***  [kibuzzard-67C5274E]  73.14 167.1 270 bottom
kibuzzard-67C5274E#8  G***  [kibuzzard-67C5274E]  117.32 43.68 270 bottom
kibuzzard-67C5274E#9  G***  [kibuzzard-67C5274E]  117.32 84.82 270 bottom
kibuzzard-67C5274E#10  G***  [kibuzzard-67C5274E]  117.32 125.96 270 bottom
kibuzzard-67C5274E#11  G***  [kibuzzard-67C5274E]  117.32 167.1 270 bottom
kibuzzard-67C5274E#12  G***  [kibuzzard-67C5274E]  28.95 43.68 270 bottom
kibuzzard-67C5275D  G***  [kibuzzard-67C5275D]  31.49 85.3 270 bottom
kibuzzard-67C5275D#2  G***  [kibuzzard-67C5275D]  75.68 85.3 270 bottom
kibuzzard-67C5275D#3  G***  [kibuzzard-67C5275D]  75.68 167.58 270 bottom
kibuzzard-67C5275D#4  G***  [kibuzzard-67C5275D]  75.68 44.16 270 bottom
kibuzzard-67C5275D#5  G***  [kibuzzard-67C5275D]  119.86 85.3 270 bottom
kibuzzard-67C5275D#6  G***  [kibuzzard-67C5275D]  31.49 167.58 270 bottom
kibuzzard-67C5275D#7  G***  [kibuzzard-67C5275D]  75.68 126.44 270 bottom
kibuzzard-67C5275D#8  G***  [kibuzzard-67C5275D]  31.49 126.44 270 bottom
kibuzzard-67C5275D#9  G***  [kibuzzard-67C5275D]  119.86 44.16 270 bottom
kibuzzard-67C5275D#10  G***  [kibuzzard-67C5275D]  119.86 126.44 270 bottom
kibuzzard-67C5275D#11  G***  [kibuzzard-67C5275D]  119.86 167.58 270 bottom
kibuzzard-67C5275D#12  G***  [kibuzzard-67C5275D]  31.49 44.16 270 bottom
kibuzzard-67C5279A  G***  [kibuzzard-67C5279A]  39.11 126.12 270 bottom
kibuzzard-67C5279A#2  G***  [kibuzzard-67C5279A]  83.3 43.84 270 bottom
kibuzzard-67C5279A#3  G***  [kibuzzard-67C5279A]  39.11 84.98 270 bottom
kibuzzard-67C5279A#4  G***  [kibuzzard-67C5279A]  39.11 167.26 270 bottom
kibuzzard-67C5279A#5  G***  [kibuzzard-67C5279A]  83.3 84.98 270 bottom
kibuzzard-67C5279A#6  G***  [kibuzzard-67C5279A]  83.3 126.12 270 bottom
kibuzzard-67C5279A#7  G***  [kibuzzard-67C5279A]  83.3 167.26 270 bottom
kibuzzard-67C5279A#8  G***  [kibuzzard-67C5279A]  127.48 84.98 270 bottom
kibuzzard-67C5279A#9  G***  [kibuzzard-67C5279A]  127.48 126.12 270 bottom
kibuzzard-67C5279A#10  G***  [kibuzzard-67C5279A]  127.48 43.84 270 bottom
kibuzzard-67C5279A#11  G***  [kibuzzard-67C5279A]  127.48 167.26 270 bottom
kibuzzard-67C5279A#12  G***  [kibuzzard-67C5279A]  39.11 43.84 270 bottom
kibuzzard-67C52692  G***  [kibuzzard-67C52692]  31.49 44.16 90 top
kibuzzard-67C52692#2  G***  [kibuzzard-67C52692]  31.49 85.3 90 top
kibuzzard-67C52692#3  G***  [kibuzzard-67C52692]  31.49 126.44 90 top
kibuzzard-67C52692#4  G***  [kibuzzard-67C52692]  31.49 167.58 90 top
kibuzzard-67C52692#5  G***  [kibuzzard-67C52692]  75.68 44.16 90 top
kibuzzard-67C52692#6  G***  [kibuzzard-67C52692]  75.68 167.58 90 top
kibuzzard-67C52692#7  G***  [kibuzzard-67C52692]  119.86 85.3 90 top
kibuzzard-67C52692#8  G***  [kibuzzard-67C52692]  75.68 85.3 90 top
kibuzzard-67C52692#9  G***  [kibuzzard-67C52692]  119.86 126.44 90 top
kibuzzard-67C52692#10  G***  [kibuzzard-67C52692]  75.68 126.44 90 top
kibuzzard-67C52692#11  G***  [kibuzzard-67C52692]  119.86 44.16 90 top
kibuzzard-67C52692#12  G***  [kibuzzard-67C52692]  119.86 167.58 90 top
kibuzzard-67C52701  G***  [kibuzzard-67C52701]  21.33 44 90 top
kibuzzard-67C52701#2  G***  [kibuzzard-67C52701]  21.33 85.14 90 top
kibuzzard-67C52701#3  G***  [kibuzzard-67C52701]  65.52 85.14 90 top
kibuzzard-67C52701#4  G***  [kibuzzard-67C52701]  109.7 44 90 top
kibuzzard-67C52701#5  G***  [kibuzzard-67C52701]  65.52 44 90 top
kibuzzard-67C52701#6  G***  [kibuzzard-67C52701]  21.33 167.42 90 top
kibuzzard-67C52701#7  G***  [kibuzzard-67C52701]  65.52 167.42 90 top
kibuzzard-67C52701#8  G***  [kibuzzard-67C52701]  21.33 126.28 90 top
kibuzzard-67C52701#9  G***  [kibuzzard-67C52701]  65.52 126.28 90 top
kibuzzard-67C52701#10  G***  [kibuzzard-67C52701]  109.7 85.14 90 top
kibuzzard-67C52701#11  G***  [kibuzzard-67C52701]  109.7 126.28 90 top
kibuzzard-67C52701#12  G***  [kibuzzard-67C52701]  109.7 167.42 90 top
kibuzzard-67C52734  G***  [kibuzzard-67C52734]  21.33 85.14 270 bottom
kibuzzard-67C52734#2  G***  [kibuzzard-67C52734]  21.33 167.42 270 bottom
kibuzzard-67C52734#3  G***  [kibuzzard-67C52734]  65.52 44 270 bottom
